# Altium PCB PCBSensorboard.PcbDoc (part 1 of 2) (continued)
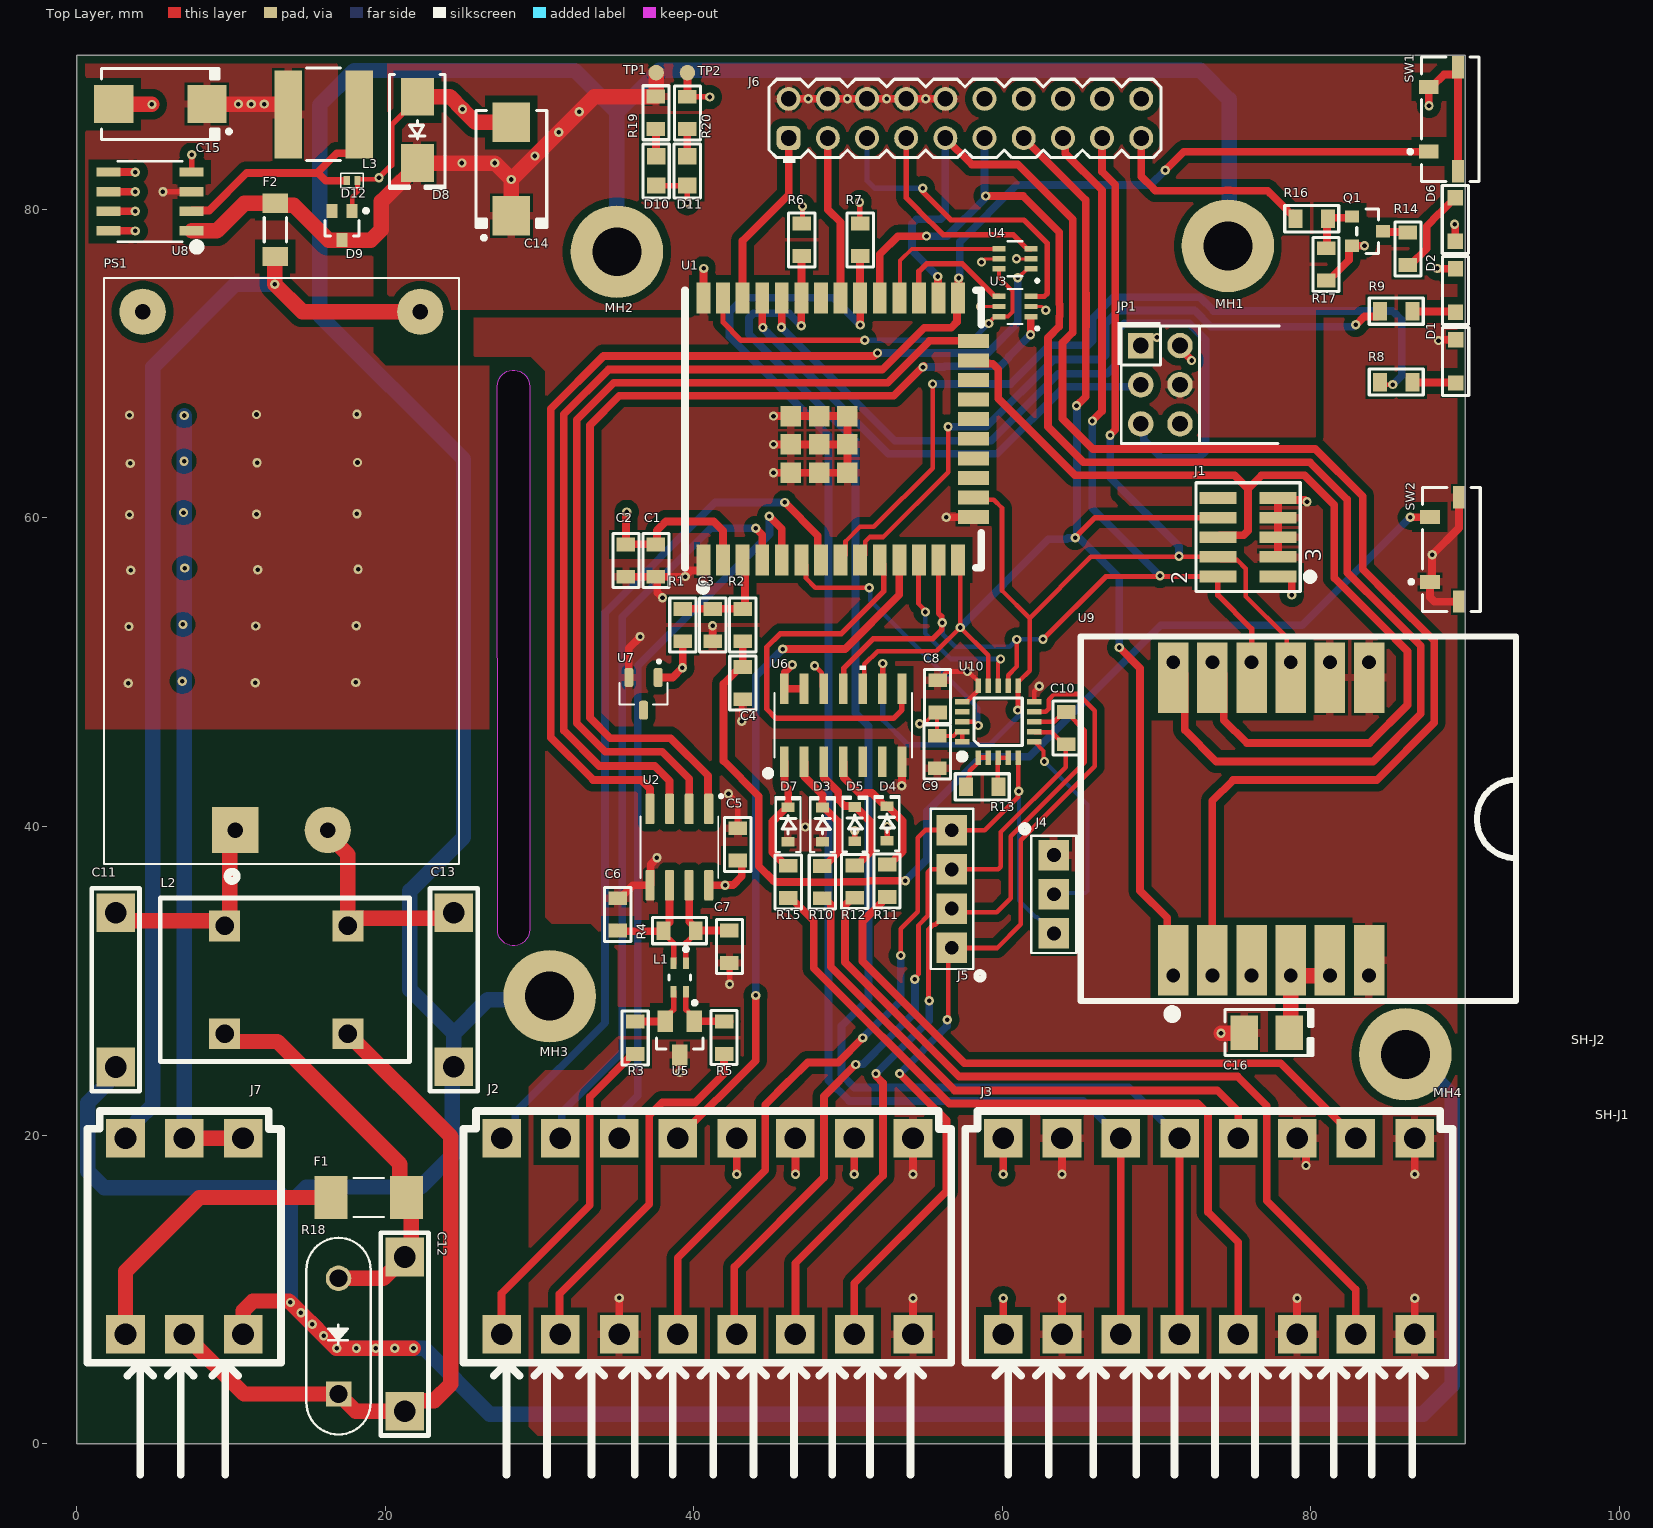
[diagram p0: Top Layer view]
## Components (designator, comment, footprint, x,y, rotation, side; value= is the part's Value field where it differs from the comment)
C1 "22uF" C0805 37.54,57.24 r90 top
C2 "0.1uF" C0805 35.59,57.24 r90 top
C3 "1uF" C0805 41.22,53.06 r90 top
C4 "0.1uF" C0805 43.17,49.3 r90 top
C5 "0.1uF" C0805 42.84,38.84 r90 top
C6 "100pF" C0805 35.06,34.3 r90 top
C7 "100pF" C0805 42.3,32.21 r270 top
C8 "0.1uF" C0805 55.79,48.43 r90 top
C9 "0.1uF" C0805 55.77,44.83 r270 top
C10 "100nF" C0805 64.13,46.38 r270 top
C11 "1nF/400VAC" Q12B1D102KN0B0S0N0 2.51,24.41 r90 top
C12 "0.1uF/275VAC" MP2104KGC3XLC 21.24,2.09 r90 top
C13 "1nF/400VAC" Q12B1D102KN0B0S0N0 24.44,34.42 r270 top
C14 "100µF" "CAP POL 2917_7343" 28.16,82.62 r90 top
C15 "100µF" "CAP POL 2917_7343" 5.405,86.83 r180 top
C16 "1µF" "CAP POL 1411_3528" 77.13,26.63 r180 top
D1 "GLED-RA" 12-21C/G6C-KN2P2/2C 89.38,70.15 r90 top
D2 "BLED-RA" 12-21C/BHC-AP1Q1N/2C 89.37,74.75 r90 top
D3 "CUS10S30,H3F" SOD323 48.335,40.122 r90 top
D4 "CUS10S30,H3F" SOD323 52.506,40.2 r90 top
D5 "CUS10S30,H3F" SOD323 50.426,40.147 r90 top
D6 "RLED-RA" 12-21SURC/S530-A3/TR8 89.36,79.35 r90 top
D7 "CUS10S30,H3F" SOD323 46.105,40.125 r90 top
D8 "P6SMB7.5A" "DO214AA SMB" 22.07,85.16 r270 top
D9 "BZX84C5V6W-7-F" "DIODES SOT-323-3" 17.19,78.96 r270 top
D10 "GLED" ORH-G35A 37.55,82.5 r270 top
D11 "RLED" ORH-R35A 39.57,82.5 r270 top
D12 "PESDHC2FD4V5BH" PESDHC2FD4V5BH 17.84,81.88 r180 top
F1 "MF2410F1.000TM" MF2410F1.000TM-FUSE2410 18.92,15.95 r0 top
F2 "CC12H3A-TR" "FUSE 1206_3216 0.6MM" 12.87,78.68 r90 top
J1 "JTAG10pin1.27mm" 20021121-00010C4LF 75.91,58.75 r90 top value=Value
J2 "PT-Block" "PLUGGABLE 2X8P TERMINAL BLOCK RIGHT ANGLE" 27.53,19.78 r0 top
J3 "PT-Block" "PLUGGABLE 2X8P TERMINAL BLOCK RIGHT ANGLE" 60.05,19.78 r0 top
J4 "Male Header 3x1" "Male Header 3x1" 63.33,38.15 r270 top
J5 "Male Header 4x1" "Male Header 4x1" 56.71,35.95 r90 top
J6 "PEC10DAAN" "MALE HEADER 10X2" 57.57,85.9 r90 top
J7 "PT-Block" "PLUGGABLE 2X3P TERMINAL BLOCK RIGHT ANGLE" 3.15,19.78 r0 top
JP1 "PEC03DAAN" "MALE HEADER 2X3 RA" 68.97,71.18 r270 top
L1 "ACM2012-121-2P-T002" TDK-ACM2012-4_V 39.08,30.2 r270 top
L2 "UU9.8Y-10mH" UU9.8Y-10MH 17.57,26.56 r180 top
L3 "47µH" "WURTH WE-LQS 6045" 16,86.17 r0 top
MH1 "MTG_NoPads" MH 74.62,77.64 r0 top
MH2 "MTG_NoPads" MH 35.01,77.26 r0 top
MH3 "MTG_NoPads" MH 30.64,29 r0 top
MH4 "MTG_NoPads" MH 86.12,25.23 r0 top
PS1 "HLK-5M05" CONV_HLK-5M05 13.26,56.57 r90 top
Q1 "MMBT3904LT3G" "ON SEMI SOT-23-3" 83.67,78.59 r0 top
R1 "10Kohm" R0805 39.28,54.11 r270 top
R2 "0R" R0805 43.16,52.01 r90 top
R3 "10ohm" R0805 36.19,25.25 r90 top
R4 "120ohm" R0805 38.02,33.25 r0 top
R5 "10ohm" R0805 41.95,25.26 r90 top
R6 "10Kohm" R0805 46.99,76.98 r90 top
R7 "10Kohm" R0805 50.78,76.98 r90 top
R8 "68ohm" R0805 86.58,68.81 r180 top
R9 "68ohm" R0805 86.58,73.41 r180 top
R10 "1K" R0805 48.325,37.445 r270 top
R11 "1K" R0805 52.516,37.528 r270 top
R12 "1K" R0805 50.426,37.477 r270 top
R13 "430ohm" R0805 57.64,42.57 r0 top
R14 "270ohm" R0805 86.29,76.4 r90 top
R15 "1K" R0805 46.115,37.455 r270 top
R16 "4.7K" R0805 81.1,79.4 r180 top
R17 "47Kohm" R0805 80.98,77.49 r270 top
R18 "MOV-10D221K" MOV-10D221K_BRN 16.96,3.21 r90 top
R19 "430ohm" R0805 37.54,85.22 r90 top
R20 "270ohm" R0805 39.58,85.21 r90 top
SH-J1 "SNT-100-BK-G" Jumper 99.83,18.28 r0 top value=1x2
SH-J2 "SNT-100-BK-G" Jumper 98.9,24.04 r90 top value=1x2
SW1 "TL3330AF260QG" FP-TL3330AF260QG-MFG 89.03,85.85 r90 top
SW2 "TL3330AF260QG" FP-TL3330AF260QG-MFG 89.1,57.96 r90 top
TP1 "TestPoint" TESTPOINT 37.55,88.87 r90 top
TP2 "TestPoint" TESTPOINT 39.58,88.87 r90 top
U1 "ESP32-WROOM-32UE" ESP32WROOM32UEM113EH6400UH3Q0 49.025,65.77 r90 top
U2 "MAX485ESA+" SOIC127P600X175-8N 39.055,38.665 r270 top
U3 "TC7SB3157CFU" "SOT-363   (US6)" 60.81,73.71 r180 top
U4 "TC7SB3157CFU" "SOT-363   (US6)" 60.809,76.8 r180 top
U5 "SM712.TCT" SMTC-SOT23-3_V 39.08,26.28 r270 top
U6 "MCP3204-BI/SL" MCP-3204-BI/SL 49.676,46.562 r90 top
U7 "LM4040AIM3-5.0/NOPB" SOT95P237X112-3N 36.73,48.6 r270 top
U8 "AP1509-33SG-13" AP1509 4.74,80.52 r180 top
U9 "USR-ES1_WIZNET5500" USR-ES1-WIZNET5500 77.42,40.49 r90 top
U10 "MAX31865ATP+" MAX31865ATP+T,TQFN-20 58.09,45.17 r0 top

## Footprints (in the part's own frame and the unit in brackets; to place one, negate y for a bottom-side part, rotate by r counter-clockwise, add the part's x,y. Pads: shape width x height; smd on the part's side, far side on the other; paste and mask are expansions set on the pad)
12-21C/BHC-AP1Q1N/2C [mm]
  rect 1x1 smd: 1(-1.4,0) 2(1.4,0)
  silkscreen extent -2.2,-0.85 2.2,0.85, body extent -1.63,-0.9 1.63,0, height 1.66
12-21C/G6C-KN2P2/2C [mm]
  rect 1x1 smd: 1(-1.4,0) 2(1.4,0)
  silkscreen extent -2.2,-0.85 2.2,0.85, body extent -1.63,-0.9 1.63,0, height 1.66
12-21SURC/S530-A3/TR8 [mm]
  rect 1x1 smd: 1(-1.4,0) 2(1.4,0)
  silkscreen extent -2.2,-0.85 2.2,0.85, body extent -1.63,-0.9 1.63,0, height 1.66
20021121-00010C4LF [mm]
  rect 0.76x2.4 smd: 1(-2.54,-1.95) 2(-2.54,1.95) 3(-1.27,-1.95) 4(-1.27,1.95) 5(0,-1.95) 6(0,1.95) 7(1.27,-1.95) 8(1.27,1.95) 9(2.54,-1.95) 10(2.54,1.95)
  silkscreen extent -3.51,-4.25 3.54,3.37, body extent -3.17,-2.75 3.17,2.75, height 4.5
AP1509 [mm]
  rect 1.55x0.6 smd: 1(-2.7,1.905) 2(-2.7,0.635) 3(-2.7,-0.635) 4(-2.7,-1.905) 5(2.7,-1.905) 6(2.7,-0.635) 7(2.7,0.635) 8(2.7,1.905)
  silkscreen extent -3.27,-2.6 2.1,3.19, body extent -3.12,-2.47 3.13,2.48, height 1.75
C0805 [mm]
  rect 0.9x1.2 smd: 1(-1.05,0) 2(1.05,0)
  silkscreen extent -1.75,-0.85 1.75,0.85, body extent -1,-0.65 1,0.66, height 0.74
"CAP POL 1411_3528" [mm] "Molded Capacitor, 2-Leads, Body 3.50x2.80mm, IPC Medium Density"
  rect 1.8x2.23 smd: 1(-1.46,0) 2(1.46,0)
  silkscreen extent -3,-1.5 2.71,1.48, body extent -1.87,-1.45 1.86,1.45, height 2
"CAP POL 2917_7343" [mm] "Molded Capacitor, 2-Leads, Body 7.30x4.30mm, IPC Medium Density"
  rect 2.55x2.45 smd: 1(-3.025,0) 2(3.025,0)
  silkscreen extent -4.57,-2.3 3.8,2.3, body extent -3.65,-2.15 3.65,2.15, height 4.1
CONV_HLK-5M05 [mm]
  rect 3x3 hole 1: 1(-16.8,3)
  round 3 hole 1: 2(-16.8,-3) 3(16.8,9) 4(16.8,-9)
  silkscreen extent -20.1,-11.5 19,11.5, body extent -19,-11.5 19,11.5, height 18.01
"DIODES SOT-323-3" [mm] "SOT323, 3-Leads, Body 2.00x2.10mm, Pitch 0.65mm, IPC Medium Density"
  rect 0.9x0.7 smd: 1(-0.95,0.65) 2(0.95,0) 3(-0.95,-0.65)
  silkscreen extent -1.07,-1.1 0.67,1.68, body extent -1.06,-1 1.06,1, height 1
"DO214AA SMB" [mm] "Molded Diode, 2-Leads, Body 4.31x3.62mm, IPC Medium Density"
  rect 2.45x2.15 smd: 1(-2.15,0) 2(2.15,0)
  silkscreen extent -3.6,-1.8 3.8,1.8, body extent -2.6,-1.8 2.6,1.8, height 2.4
ESP32WROOM32UEM113EH6400UH3Q0 [mm]
  rect 2x0.9 smd: 1(-8.5,8.41) 2(-8.5,7.14) 3(-8.5,5.87) 4(-8.5,4.6) 5(-8.5,3.33) 6(-8.5,2.06) 7(-8.5,0.79) 8(-8.5,-0.48) 9(-8.5,-1.75) 10(-8.5,-3.02) 11(-8.5,-4.29) 12(-8.5,-5.56) 13(-8.5,-6.83) 14(-8.5,-8.1) 25(8.5,-8.1) 26(8.5,-6.83) 27(8.5,-5.56) 28(8.5,-4.29) 29(8.5,-3.02) 30(8.5,-1.75) 31(8.5,-0.48) 32(8.5,0.79) 33(8.5,2.06) 34(8.5,3.33) 35(8.5,4.6) 36(8.5,5.87) 37(8.5,7.14) 38(8.5,8.41)
  rect 0.9x2 smd: 15(-5.715,-9.1) 16(-4.445,-9.1) 17(-3.175,-9.1) 18(-1.905,-9.1) 19(-0.635,-9.1) 20(0.635,-9.1) 21(1.905,-9.1) 22(3.175,-9.1) 23(4.445,-9.1) 24(5.715,-9.1)
  rect 1.33x1.33 smd: 39(-2.835,-0.925) 39(-2.835,0.91) 39(-2.835,2.745) 39(-1,2.745) 39(-1,-0.925) 39(-1,0.91) 39(0.835,2.745) 39(0.835,-0.925) 39(0.835,0.91)
  silkscreen extent -10.5,-9.6 9,9.6, body extent -9.06,-9.63 9.01,9.61, height 3.41
FP-TL3330AF260QG-MFG [mm]
  rect 0.9x1.27 smd paste+0 mask+0: 1(-2.1,1.385) 2(2.1,1.385)
  rect 1.45x0.8 smd paste+0 mask+0: 3(-3.375,-0.5) 4(3.375,-0.5)
  silkscreen extent -4.03,-1.88 4.03,2.72, body extent -3.9,-1.75 3.9,1.75, height 3.75
"FUSE 1206_3216 0.6MM" [mm] "Chip Fuse 1.5A AC 63V DC, 2-Leads, Body 3.10x1.55mm, IPC Medium Densitym"
  rect 1.25x1.65 smd: 1(-1.725,0) 2(1.725,0)
  silkscreen extent -0.8,-0.72 0.8,0.72, body extent -1.55,-0.77 1.55,0.78, height 0.76
Jumper [mil]
  round 1 on Mech1: 0(-5,-20)
  body extent -55,-120 45,80, height 344
"MALE HEADER 2X3 RA" [mm]
  rect 1.65x1.65 hole 1.016 mask+0: 1(0,0)
  round 1.65 hole 1.016 mask+0: 2(0,2.54) 3(2.54,0) 4(2.54,2.54) 5(5.08,0) 6(5.08,2.54)
  silkscreen extent -1.52,-1.52 6.35,8.98, body extent -1.27,-0.28 6.35,12.48, height 5.74
"Male Header 3x1" [mm]
  rect 1.981x2 hole 0.9: 1(0,0) 2(2.54,0) 3(5.08,0)
  silkscreen extent -1.93,-2.12 6.35,1.46, body extent -1.27,-1.46 6.35,1.46, height 8.52
"Male Header 4x1" [mm]
  rect 1.981x2 hole 0.9: 1(-3.81,0) 2(-1.27,0) 3(1.27,0) 4(3.81,0)
  silkscreen extent -5.86,-2.06 5.19,1.37, body extent -5.08,-1.27 5.08,1.27, height 8.96
"MALE HEADER 10X2" [mm]
  rrect50% 1.55x1.55 hole 1.016: 1(-1.27,11.43)
  round 1.55 hole 1.016: 2(1.27,11.43) 3(-1.27,8.89) 4(1.27,8.89) 5(-1.27,6.35) 6(1.27,6.35) 7(-1.27,3.81) 8(1.27,3.81) 9(-1.27,1.27) 10(1.27,1.27) 11(-1.27,-1.27) 12(1.27,-1.27) 13(-1.27,-3.81) 14(1.27,-3.81) 15(-1.27,-6.35) 16(1.27,-6.35) 17(-1.27,-8.89) 18(1.27,-8.89) 19(-1.27,-11.43) 20(1.27,-11.43)
  silkscreen extent -2.9,-12.7 2.54,12.7, body extent -2.54,-12.7 2.54,12.7, height 8.38
MAX31865ATP+T,TQFN-20 [mm]
  rect 0.35x0.95 smd: BIAS(0.33,-0.72) CS(1.63,3.95) DGND(0.33,3.95) FORCE+(2.93,-0.72) ISENSOR(2.28,-0.72) REFIN+(0.98,-0.72) REFIN-(1.63,-0.72) SCLK(2.28,3.95) SD0(0.98,3.95) SDI(2.93,3.95)
  rect 0.95x0.35 smd: DRDY(-0.694,1.626) DVDD(-0.694,0.975) FORCE2(3.976,0.326) FORCE-(3.976,2.275) GND1(-0.694,2.926) GND2(3.976,2.926) NC(-0.694,2.275) RTDIN+(3.976,0.975) RTDIN-(3.976,1.626) VDD(-0.694,0.326)
  silkscreen extent -0.86,-0.79 3.19,3.15, body extent -0.89,-0.9 4.11,4.1, height 0.8
MCP-3204-BI/SL [mil]
  rect 78x22 smd paste+0 mask+0: 1(-93,150) 2(-93,100) 3(-93,50) 4(-93,0) 5(-93,-50) 6(-93,-100) 7(-93,-150) 8(93,-150) 9(93,-100) 10(93,-50) 11(93,0) 12(93,50) 13(93,100) 14(93,150)
  silkscreen extent -128,-176 152,198, body extent -118,-171 118,170, height 69
MF2410F1.000TM-FUSE2410 [mm]
  rect 2.15x2.8 smd: 1(-2.455,0) 2(2.455,0)
  silkscreen extent -1,-1.27 1,1.27, body extent -3.05,-1.27 3.05,1.27, height 2.75
MH [mm]
  round 6 hole 3.175 mask+0.102: 1(0,0)
MOV-10D221K_BRN [mil]
  rect 65x65 hole 45 mask+0: 1(0,0)
  round 65 hole 45 mask+0: 2(295.28,0)
  silkscreen extent -103,-82 399,82, body extent -69,-68 364,67, height 531
MP2104KGC3XLC [mm]
  rect 2.5x2.5 hole 1.4: 1(0,0) 2(10,0)
  silkscreen extent -1.57,-1.55 11.57,1.55
"ON SEMI SOT-23-3" [mm] "SOT23, 3-Leads, Body 2.90x2.40mm, Pitch 0.95mm, IPC Medium Density"
  rect 0.9x0.8 smd: 1(-1,0.95) 2(-1,-0.95) 3(1,0)
  silkscreen extent -0.7,-1.45 0.7,1.45, body extent -1.16,-1.45 1.16,1.45, height 1
ORH-G35A [mm]
  rect 1.05x1.2 smd: 1(-0.95,0) 2(0.95,0)
  silkscreen extent -1.75,-0.85 1.75,0.85, body extent -1,-0.62 1,0.62, height 1.11
ORH-R35A [mm]
  rect 1.05x1.2 smd: 1(-0.95,0) 2(0.95,0)
  silkscreen extent -1.75,-0.85 1.75,0.85, body extent -1,-0.62 1,0.62, height 1.11
PESDHC2FD4V5BH [mm]
  rect 0.4x0.6 smd: 1(-0.35,0) 2(0.35,0)
  silkscreen extent -0.72,-0.47 0.72,0.48, body extent -0.65,-0.41 0.65,0.41, height 0.5
"PLUGGABLE 2X3P TERMINAL BLOCK RIGHT ANGLE" [mm]
  rect 2.5x2.5 hole 1.4: 1(0,0) 2(3.81,0) 3(7.62,0) 4(0,-12.7) 5(3.81,-12.7) 6(7.62,-12.7)
  silkscreen extent -2.46,-21.81 10.08,1.78
"PLUGGABLE 2X8P TERMINAL BLOCK RIGHT ANGLE" [mm]
  rect 2.5x2.5 hole 1.4: 1(0,0) 2(3.81,0) 3(7.62,0) 4(11.43,0) 5(15.24,0) 6(19.05,0) 7(22.86,0) 8(26.67,0) 9(0,-12.7) 10(3.81,-12.7) 11(7.62,-12.7) 12(11.43,-12.7) 13(15.24,-12.7) 14(19.05,-12.7) 15(22.86,-12.7) 16(26.67,-12.7)
  silkscreen extent -2.46,-21.81 29.15,1.78
Q12B1D102KN0B0S0N0 [mm]
  rect 2.5x2.5 hole 1.4: 1(0,0) 2(10,0)
  silkscreen extent -1.57,-1.55 11.58,1.55, body extent -0.33,-2.55 10.32,2.45, height 14.5
R0805 [mm]
  rect 0.9x1.2 smd: 1(0,0) 2(2.1,0)
  silkscreen extent -0.7,-0.85 2.8,0.85, body extent 0.05,-0.62 2.05,0.63, height 0.56
SMTC-SOT23-3_V [mm] "SOT23, 3-Leads, Body 2.92x2.37mm, Pitch 0.95mm"
  rect 1.4x1 smd: 1(-1.1,0.95) 2(-1.1,-0.95) 3(1.1,0)
  silkscreen extent -2.41,-1.5 0.7,1.5, body extent -0.7,-1.52 0.7,1.52, height 1.12
SOD323 [mm] "SOD, 2-Leads, Body 1.25x2.50mm, IPC Medium Density"
  rect 0.625x0.83 smd: 1(-1.112,0) 2(1.112,0)
  silkscreen extent -1.78,-0.8 1.78,0.8, body extent -1.36,-0.62 1.36,0.62, height 1.05
SOIC127P600X175-8N [mm]
  rrect25% 1.97x0.59 smd: 1(-2.475,1.905) 2(-2.475,0.635) 3(-2.475,-0.635) 4(-2.475,-1.905) 5(2.475,-1.905) 6(2.475,-0.635) 7(2.475,0.635) 8(2.475,1.905)
  silkscreen extent -3.4,-2.52 2,2.81, body extent -3,-2.45 3,2.45, height 1.75
SOT95P237X112-3N [mm]
  rrect50% 1.23x0.59 smd: 1(-1.06,0.95) 2(-1.06,-0.95) 3(1.06,0)
  silkscreen extent -2.2,-1.56 0.7,1.56, body extent -1.18,-1.46 1.19,1.46, height 1.12
"SOT-363   (US6)" [mil]
  rect 33x14 smd paste+0 mask+0: 1(-41,25.59) 2(-41,0) 3(-41,-25.59) 4(41,-25.59) 5(41,0) 6(41,25.59)
  silkscreen extent -61,-44 19,60, body extent -42,-39 41,40, height 37
TDK-ACM2012-4_V [mm] "SMD, 4-Leads, Body 2.2x1.4mm"
  rect 0.75x0.4 smd: 1(-0.925,0.4) 2(-0.925,-0.4) 3(0.925,-0.4) 4(0.925,0.4)
  silkscreen extent -1.97,-0.7 0.16,0.7, body extent -1.1,-0.7 1.1,0.7, height 1.3
TESTPOINT [mm]
  round 1 smd: 1(0,0)
USR-ES1-WIZNET5500 [mil]
  rect 180x78 hole 35.43 copper offset 39.37,0: 1(-400,250) 2(-400,150) 3(-400,50) 4(-400,-50) 5(-400,-150) 6(-400,-250)
  rect 180x78 hole 35.43 copper offset -39.37,0: 7(400,-250) 8(400,-150) 9(400,-50) 10(400,50) 11(400,150) 12(400,250)
  silkscreen extent -501,-625 465,486, body extent -455,-618 451,482, height 720
UU9.8Y-10MH [mm]
  rect 2x2 hole 1.2: 1(0,0) 2(0,-7) 3(8,-7) 4(8,0)
  silkscreen extent -3.99,-8.8 12.16,1.8, body extent -3.99,-8.81 12.17,1.8, height 15.5
"WURTH WE-LQS 6045" [mm] "SMD Power Inductor, 2-Leads, body 6x6mm"
  rect 1.8x5.7 smd: 1(-2.3,0) 2(2.3,0)
  silkscreen extent -1.1,-3 1.1,3, body extent -3,-3 3,3, height 4.5

## Part data
C1 C2 C3 C4 C5 C6 C7 C8 C9 C10: library part C0805, "Ceramic Capacitor SMD 0805"
C11 C13: library part Q12B1D102KN0B0S0N0, "Y1 1nF ±10% 400V 10mm Through Hole,P=10mm Suppression Capacitors RoHS", Electrolytic Through Hole Axial Capacitor=100pF, PackageDescription="Capacitor; 2 Leads", PackageReference=CAPR5-4X5, Published=23-Sep-2002, Publisher="Altium Limited"
C12: library part MP2104KGC3XLC, "X2 100nF ±10% 275V 10mm Through Hole,P=10mm Suppression Capacitors RoHS", Electrolytic Through Hole Axial Capacitor=100pF, PackageDescription="Capacitor; 2 Leads", PackageReference=CAPR5-4X5, Published=23-Sep-2002, Publisher="Altium Limited"
C14 C15: library part TPSD107K010S0080, "CAP TANT 100UF 10% 10V 2917", Device Package="2917 (7343 Metric)", ESR (Equivalent Series Resistance)=80mOhm, Manufacturer="AVX Corporation", Manufacturer Size Code=D, Operating Temperature="-55°C ~ 125°C", Supplier Part Number 1=478-9137-1-ND, Tolerance=±10%, Voltage - Rated=10V, Capacitance=100µF, ComponentLink1Description=Datasheet, ComponentLink1URL=http://datasheets.avx.com/TPS.pdf, ComponentLink2Description="DigiKey Link", ComponentLink2URL=http://digikey.com/product-detail/en/avx-corporation/TPSD107K010S0080/478-9137-1-ND/4562002, Features="General Purpose", Height - Seated (Max)="0.122\" (3.10mm)", LastUpdated="9/2/2020 1:16:19 AM", Lifecycle Status=Active, Minimum Order=1, Mounting Type="Surface Mount", Package / Case="2917 (7343 Metric)", Packaging=TapeAndReel, Part Number=TPSD107K010S0080, Part Status=Active, PartId=1024, Price=0.47, Series=TPS, Size / Dimension="0.287\" L x 0.169\" W (7.30mm x 4.30mm)", Supplier 1=DigiKey, Type=Molded
C16: library part CWR11MH105KB, "CAP TANT 1UF 10% 35V 1411", Device Package="1411 (3528 Metric)", ESR (Equivalent Series Resistance)=6.5Ohm, Manufacturer=KEMET, Manufacturer Size Code=B, Operating Temperature="-55°C ~ 125°C", Supplier Part Number 1=1001-2230-1-ND, Tolerance=±10%, Voltage - Rated=35V, Capacitance=1µF, ComponentLink1Description=Datasheet, ComponentLink1URL=https://api.kemet.com/component-edge/download/datasheet/CWR11MH105KB.pdf, ComponentLink2Description="DigiKey Link", ComponentLink2URL=http://digikey.com/product-detail/en/kemet/CWR11MH105KB/1001-2230-1-ND/3317720, Failure Rate="B (0.1%)", Features="High Reliability", Height - Seated (Max)="0.083\" (2.10mm)", LastUpdated="9/2/2020 1:15:46 AM", Lifecycle Status=Active, Minimum Order=1, Mounting Type="Surface Mount", Package / Case="1411 (3528 Metric)", Packaging=TapeAndReel, Part Number=CWR11MH105KB, Part Status=Active, PartId=1, Price=1.20, Series="Military, MIL-PRF-55365/8, CWR11", Size / Dimension="0.138\" L x 0.110\" W (3.50mm x 2.80mm)", Supplier 1=DigiKey, Type=Molded
D1: library part 12-21C/G6C-KN2P2/2C, "Green-yellow 569.5~575.5nm Right-Angle 1206 Light Emitting Diodes (LED) RoHS"
D2: library part 12-21C/BHC-AP1Q1N/2C, "Blue 464.5~476.5nm 1206 Right-Angle Light Emitting Diodes (LED) RoHS"
D3 D4 D5 D7: "DIODE SCHOTTKY 30V 1A USC", Current - Average Rectified (Io)=1A, Current - Reverse Leakage @ Vr="500µA @ 30V", Manufacturer="Toshiba Semiconductor and Storage", Operating Temperature - Junction="125°C (Max)", Package / Case="SC-76, SOD-323", Supplier Device Package=USC, Supplier Part Number 1=CUS10S30H3FCT-ND, Voltage - DC Reverse (Vr) (Max)=30V, Voltage - Forward (Vf) (Max) @ If="230mV @ 100mA", ComponentLink1Description=Datasheet, ComponentLink1URL=https://toshiba.semicon-storage.com/info/docget.jsp?did=14077&prodName=CUS10S30, ComponentLink2Description="DigiKey Link", ComponentLink2URL=http://digikey.com/product-detail/en/toshiba-semiconductor-and-storage/CUS10S30H3F/CUS10S30H3FCT-ND/5114377, Diode Type=Schottky, LastUpdated="9/2/2020 1:27:26 AM", Lifecycle Status=Active, Minimum Order=1, Mounting Type="Surface Mount", Packaging=TapeAndReel, Part Number=CUS10S30,H3F, Part Status=Active, PartId=3067, Price=0.06, Series=-, Speed="Fast Recovery =< 500ns, > 200mA (Io)", Supplier 1=DigiKey
D6: library part 12-21SURC/S530-A3/TR8, "Red 624nm Right-Angle 1206 Light Emitting Diodes (LED) RoHS"
D8: "TVS DIODE 6.4V 11.3V DO214AA", Current - Peak Pulse (10/1000µs)=54A, Manufacturer="Littelfuse Inc.", Operating Temperature="-55°C ~ 150°C (TJ)", Package / Case="DO-214AA, SMB", Power - Peak Pulse=600W, Power Line Protection=No, Supplier Device Package="DO-214AA (SMBJ)", Supplier Part Number 1=P6SMB7.5ALFCT-ND, Voltage - Breakdown (Min)=7.13V, Voltage - Clamping (Max) @ Ipp=11.3V, Voltage - Reverse Standoff (Typ)=6.4V, Applications="General Purpose", ComponentLink1Description=Datasheet, ComponentLink1URL=https://www.littelfuse.com/~/media/electronics/datasheets/tvs_diodes/littelfuse_tvs_diode_p6smb_datasheet.pdf.pdf, ComponentLink2Description="DigiKey Link", ComponentLink2URL=http://digikey.com/product-detail/en/littelfuse-inc/P6SMB7.5A/P6SMB7.5ALFCT-ND/1766722, LastUpdated="9/2/2020 1:19:51 AM", Lifecycle Status=Active, Minimum Order=1, Mounting Type="Surface Mount", Packaging=TapeAndReel, Part Number=P6SMB7.5A, Part Status=Active, PartId=11409, Price=0.10, Series=P6SMB, Supplier 1=DigiKey, Type=Zener, Unidirectional Channels=1
D9: "DIODE ZENER 5.6V 200MW SOT323", Current - Reverse Leakage @ Vr="1µA @ 2V", Manufacturer="Diodes Incorporated", Operating Temperature="-65°C ~ 125°C", Package / Case="SC-70, SOT-323", Power - Max=200mW, Supplier Device Package=SOT-323, Supplier Part Number 1=BZX84C5V6W-FDICT-ND, Tolerance=±7%, Voltage - Forward (Vf) (Max) @ If="900mV @ 10mA", Voltage - Zener (Nom) (Vz)=5.6V, ComponentLink1Description=Datasheet, ComponentLink1URL=https://www.diodes.com/assets/Datasheets/ds30066.pdf, ComponentLink2Description="DigiKey Link", ComponentLink2URL=http://digikey.com/product-detail/en/diodes-incorporated/BZX84C5V6W-7-F/BZX84C5V6W-FDICT-ND/815458, Impedance (Max) (Zzt)="40 Ohms", LastUpdated="9/2/2020 1:21:29 AM", Lifecycle Status=Active, Minimum Order=1, Mounting Type="Surface Mount", Packaging=TapeAndReel, Part Number=BZX84C5V6W-7-F, Part Status=Active, PartId=879, Price=0.05, Series=-, Supplier 1=DigiKey
D10: library part ORH-G35A, "Green 515~535nm 0805 Light Emitting Diodes (LED) RoHS"
D11: library part ORH-R35A, "OrangeRed 615~625nm 0805 Light Emitting Diodes (LED) RoHS"
D12: "http://www.prisemi.com/UploadImage/files/ESD(TVS%20Array%EF%BC%89/High%20capacitance/PESDHC2FD4V5BH.pdf", Breakdown Voltage=13.3V, Case/Package=SMA, Clamping Voltage=19.9V, Current=201A, Leakage Current=1uA, Manufacturer="Vishay Semiconductors", Manufacturer Part Number 1=SMAJ12A-E3/61, Max Breakdown Voltage=14.7V, Max Forward Surge Current (Ifsm)=40A, Max Operating Temperature=150°C, Max Power Dissipation=400W, Max Surge Current=20.1A, Min Operating Temperature=-55°C, Operating Supply Voltage=12V, Package Quantity=1800, Supplier Part Number 1=SMAJ12A-E3/61GICT-ND, Test Current=1mA, ComponentLink1Description=https://datasheet.ciiva.com/4247/2smaj50a-4247753.pdf?src-supplier=Arrow, ComponentLink1URL=https://datasheet.ciiva.com/4247/2smaj50a-4247753.pdf?src-supplier=Arrow, ComponentLink2Description=https://datasheet.ciiva.com/26912/getdatasheetpartid-162303-26912431.pdf?src-supplier=Verical, ComponentLink2URL=https://datasheet.ciiva.com/26912/getdatasheetpartid-162303-26912431.pdf?src-supplier=Verical, ComponentLink3Description=https://datasheet.ciiva.com/3021/88390-3021379.pdf?src-supplier=Avnet, ComponentLink3URL=https://datasheet.ciiva.com/3021/88390-3021379.pdf?src-supplier=Avnet, ComponentLink4Description=https://datasheet.ciiva.com/16199/smaj50a-16199669.pdf?src-supplier=Future+Electronics, ComponentLink4URL=https://datasheet.ciiva.com/16199/smaj50a-16199669.pdf?src-supplier=Future+Electronics, ComponentLink5Description=https://datasheet.ciiva.com/28409/548547-28409622.pdf?src-supplier=Element14, ComponentLink5URL=https://datasheet.ciiva.com/28409/548547-28409622.pdf?src-supplier=Element14, ComponentLink6Description=https://datasheet.ciiva.com/26322/548547-26322536.pdf?src-supplier=Element14, ComponentLink6URL=https://datasheet.ciiva.com/26322/548547-26322536.pdf?src-supplier=Element14, Contact Plating=Tin,Matte, Direction=Unidirectional, Element Configuration=Single, Height=2.09mm, Lead Free="Lead Free", Length=4.5mm, Max Reverse Leakage Current=1uA, Min Breakdown Voltage=13.3V, Number of Channels=1, Number of Elements=1, Number of Pins=2, Packaging="Tape and Reel", Peak Pulse Current=20.1A, Peak Pulse Power=400W, Polarity=Unidirectional, Power Dissipation=400W, Pricing 1="1 = 0.42000, 10 = 0.31500, 25 = 0.28400, 100 = 0.19610, 250 = 0.16512, 500 = 0.13416 (USD)", Radiation Hardening=No, REACH SVHC=Unknown, Reverse Breakdown Voltage=13.3V, Reverse Standoff Voltage=12V, RoHS=Yes, Stock 1=351428, Supplier 1=Digi-Key, Termination=SMD/SMT, Voltage=12V, Voltage Rating (DC)=12V, Width=2.79mm
F1: "Chip Fuse 1A 84mΩ 100A 0.62 2410 Surface Mount Fuses RoHS"
F2: "FUSE BOARD MOUNT 3A 63VDC 1206", Breaking Capacity @ Rated Voltage=50A, Current Rating (Amps)=3A, Device Package="1206 (3216 Metric)", Manufacturer="Eaton - Electronics Division", Operating Temperature="-55°C ~ 125°C", Supplier Part Number 1=283-2982-1-ND, Voltage Rating - DC=63V, Approval Agency=cURus, Approvals=cURus, ComponentLink1Description=Datasheet, ComponentLink1URL=http://www.cooperindustries.com/content/dam/public/bussmann/Electronics/Resources/product-datasheets/Bus_Elx_DS_4309_CC12H_Series.pdf, ComponentLink2Description="DigiKey Link", ComponentLink2URL=http://digikey.com/product-detail/en/eaton-electronics-division/CC12H3A-TR/283-2982-1-ND/2138913, Fuse Type="Board Mount (Cartridge Style Excluded)", LastUpdated="9/2/2020 1:30:41 AM", Lifecycle Status=Active, Melting I²t=2.2, Minimum Order=1, Mounting Type="Surface Mount", Package / Case="1206 (3216 Metric)", Packaging=TapeAndReel, Part Number=CC12H3A-TR, Part Status=Active, Price=0.39, Response Time="Slow Blow", Series=CC12H, Size / Dimension="0.126\" L x 0.063\" W x 0.024\" H (3.20mm x 1.60mm x 0.60mm)", Supplier 1=DigiKey
J1: "CONN HEADER 10POS DUAL .05\" SMD", Color=Black, DigiKeyPartNumber=FTSH-105-01-F-DV-ND, Manufacturer_Part_Number=20021121-00010C4LF, Supplier Part Number 1=200-FTSH10501LDVK, Category=Connectors, Connector_Type="Header, Unshrouded", Contact_Finish=Gold, Contact_Finish_Thickness="3Âµin (0.08Âµm)", Contact_Mating_Length="0.120\" (3.05mm)", Contact_Type="Male Pin", Copyright="Copyright (C) 2015 Accelerated Designs. All rights reserved", Datasheet=http://www.samtec.com/documents/webfiles/pdf/FTSH_SMT.pdf, Fastening_Type=-, Features=-, Mounting_Type="Surface Mount", Number_of_Positions=10, Number_of_Positions_Loaded=All, Number_of_Rows=2, Packaging=Tube, Pitch="0.050\" (1.27mm)", Quantity_Available=0, RefDes=RefDes, Row_Spacing="0.050\" (1.27mm)", Supplier 1=Mouser, Termination=Solder, Type=DEV, Vendor="Samtec Inc"
J2 J3: library part "Pluggable 2x8P Terminal Block Right Angle", "3.81mm Pitch Double Row Right Angle Pin Male Pluggable PCB Electrical Screw Terminal Block 2x8P"
J6: library part "Male Header 10x2", "Header, 2.54mm, 10x2, Tin, TH", Color=Black, Current_A=3, Manufacturer="Sullins Connector Solutions", Supplier Part Number 1=S2012E-10-ND, Cert_UL=Y, ClassName=Header, ComponentLink1Description="Datasheet URL", ComponentLink1URL=https://drawings-pdf.s3.amazonaws.com/C10419.pdf, CompType=Header, ContactFinish=Tin, Gender=Male, Green_EU RoHS=Incomplete, Green_EU RoHS-2=Incomplete, Green_Lifecycle="Not Set", Green_REACh=Incomplete, LatestRevisionDate=2017-05-05, MountType=TH, Orientation=Vertical, PackageReference="Header, 10x2, 2.54mm, TH", PartNumber=PEC10DAAN, PinCount=20, Pitch_mm=2.54, Publisher="Texas Instruments", RoHS=Y, Row_Count=2, RowSpacing_mm=2.54, Shrouded=N, Supplier 1=Digi-Key, SymbolCreator=a0412235, SymbolVersion=2013-09-12, System=Connector
J7: library part "Pluggable 2x3P Terminal Block Right Angle", "3.81mm Pitch Double Row Right Angle Pin Male Pluggable PCB Electrical Screw Terminal Block 2x3P"
JP1: library part "Male Header 2x3 RA", "Header, Right Angle, 100mil, 3x2, Tin, TH", Color=Black, Current_A=3, Manufacturer="Sullins Connector Solutions", Supplier Part Number 1=S2012E-03-ND, Voltage_V=1800, Cert_UL=Y, ClassName=Header, ComponentLink1Description="Datasheet URL", ComponentLink1URL=http://www.sullinscorp.com/catalogs/77_PAGE108-109_.100_MALE_HDR.pdf, CompType=Header, ContactFinish=Tin, Gender=Male, LatestRevisionDate=2017-04-11, MountType=TH, Orientation=Vertical, PackageReference="3x2 Header", PartNumber=PEC03DAAN, PinCount=6, Pitch_mm=2.54, Publisher="Texas Instruments", RoHS=Y, Row_Count=2, RowSpacing_mm=2.54, Shrouded=N, Supplier 1=Digi-Key, SymbolCreator=a0412235, SymbolVersion=2013-10-14
L1: "Common Mode Filter, For High-Speed Differential Signal Line / General Signal Line, 120 Ohm, 0.37 A, 50 V, -40 to 85 degC, 4-Pin SMD (0805), RoHS, Tape and Reel", Current=370mA, DC Resistance (DCR)=220mOhmMax, Inductance=-, Manufacturer=TDK, Operating Temperature=-40degC~85degC, Package / Case=Horizontal,4PCPad, Standard Package=1, Catalog Drawings=ACM2012SeriesTopACM2012SeriesSideACM2012SeriesBottom, Category=Filters, Datasheet URL=https://datasheet.ciiva.com/26793/acm2012-121-2p-t002-26793322.pdf, Datasheet Version=Jun-12, Family=CommonModeChokes, Filter Type=Data,SignalLine, Height (Max)="0.051\"(1.30mm)", Impedance=120Ohm, Manufacturer URL=http://www.tdk.com/, Mounting Type=SurfaceMount, Number of Lines=2, Online Catalog=ACM2012Series, Other Drawings=ACM2012SeriesSchematicACM2012SeriesFootprint, Other Names=445-2208-6, Packaging=Digi-Reel, Product Training Modules=EMCComponents, Series=ACM, Size / Dimension="0.079\"Lx0.047\"W(2.00mmx1.20mm)"
L2: "Power Line 10mH @ 1kHz 1.2Ω Through Hole Common Mode Chokes / Filters RoHS", ComponentLink1Description=Link-LCSC, ComponentLink1URL=https://lcsc.com/product-detail/Common-Mode-Chokes-Filters_FH-Guangdong-Fenghua-Advanced-Tech-UU9-8Y-10mH_C75192.html, ComponentLink2Description=Link-AliExpress, ComponentLink2URL=https://www.aliexpress.com/item/32980182330.html?spm=a2g0o.detail.1000013.1.5cfb700ddkBmdG&gps-id=pcDetailBottomMoreThisSeller&scm=1007.13339.169870.0&scm_id=1007.13339.169870.0&scm-url=1007.13339.169870.0&pvid=74876de4-c52f-4303-af43-224ca810e133&_t=gps-id:pcDetailBottomMoreThisSeller,scm-url:1007.13339.169870.0,pvid:74876de4-c52f-4303-af43-224ca810e133,tpp_buckets:668%230%23131923%2385_668%230%23131923%2385_668%23888%233325%2318_668%23888%233325%2318_668%232846%238111%231996_668%232717%237567%23943_668%231000022185%231000066059%230_668%233468%2315616%23721_668%232846%238111%231996_668%232717%237567%23943_668%233164%239976%23861_668%233468%2315616%23721
L3: library part 74404064470, "FIXED IND 47UH 1.2A 200 MOHM SMD", Current - Saturation=1.5A, Current Rating (Amps)=1.2A, DC Resistance (DCR)=200mOhm, Device Package=Nonstandard, Frequency - Self Resonant=6.4MHz, Inductance Frequency - Test=100kHz, Manufacturer="Würth Elektronik", Operating Temperature="-40°C ~ 125°C", Supplier Device Package=6045, Supplier Part Number 1=732-5556-1-ND, Tolerance=±20%, ComponentLink1Description=Datasheet, ComponentLink1URL=https://katalog.we-online.de/pbs/datasheet/74404064470.pdf, ComponentLink2Description="DigiKey Link", ComponentLink2URL=http://digikey.com/product-detail/en/w-rth-elektronik/74404064470/732-5556-1-ND/4865449, Height - Seated (Max)="0.177\" (4.50mm)", Inductance=47µH, LastUpdated="9/2/2020 1:30:28 AM", Lifecycle Status=Active, Material - Core=Ferrite, Minimum Order=1, Mounting Type="Surface Mount", Package / Case=Nonstandard, Packaging=TapeAndReel, Part Number=74404064470, Part Status=Active, PartId=3706, Price=0.69, Series=WE-LQS, Shielding=Shielded, Size / Dimension="0.236\" L x 0.236\" W (6.00mm x 6.00mm)", Supplier 1=DigiKey, Type=Wirewound
MH1 MH2 MH3 MH4: library part "Mounting Hole (non-standard) No Pad", "PCB Mounting Hole, No Pad", Manufacturer=Any, PartNumber=N/A, CompType="Mounting Hole", LatestRevisionDate=2017-01-25, MountType=N/A, PackageReference="Mounting Hole", Publisher="Texas Instruments", SymbolCreator=a0412235, SymbolVersion=2013-12-26
PS1: "AC DC 220V to 5V 5W 5Watt Isolated Switching Step-Down Power Supply Module Converter", Package="Package Analog Devices", Availability=Unavailable, MF=Hi-link, MP=HLK-5M05, Price=None, SnapEDA_Link=https://www.snapeda.com/parts/HLK-5M05/Hi-link/view-part/2758659/?ref=snap
Q1: "TRANS NPN 40V 0.2A SOT23", Current - Collector (Ic) (Max)=200mA, DC Current Gain (hFE) (Min) @ Ic, Vce="100 @ 10mA, 1V", Frequency - Transition=300MHz, Manufacturer="ON Semiconductor", Operating Temperature="-55°C ~ 150°C (TJ)", Package / Case="TO-236-3, SC-59, SOT-23-3", Power - Max=300mW, Supplier Device Package="SOT-23-3 (TO-236)", Supplier Part Number 1=MMBT3904LT3GOSCT-ND, Voltage - Collector Emitter Breakdown (Max)=40V, ComponentLink1Description=Datasheet, ComponentLink1URL=http://www.onsemi.com/pub/Collateral/MMBT3904LT1-D.PDF, ComponentLink2Description="DigiKey Link", ComponentLink2URL=http://digikey.com/product-detail/en/on-semiconductor/MMBT3904LT3G/MMBT3904LT3GOSCT-ND/1139814, LastUpdated="9/2/2020 1:30:08 AM", Lifecycle Status=Active, Minimum Order=1, Mounting Type="Surface Mount", Packaging=TapeAndReel, Part Number=MMBT3904LT3G, Part Status=Active, PartId=159, Price=0.02, Supplier 1=DigiKey, Transistor Type=NPN, Vce Saturation (Max) @ Ib, Ic="300mV @ 5mA, 50mA"
R1 R2 R3 R4 R5 R6 R7 R8 R9 R10 R11 R12 R13 R15 R19 R20: library part R0805, "Resistor SMD 0805"
R14 R16 R17: library part R0805
R18: "Varistors 180pF 560volts 10%", Built_By=EMA_Cory, Copyright="Copyright (C) 2018 Accelerated Designs. All rights reserved", Datasheet=https://www.bourns.com/docs/Product-Datasheets/MOV10D.pdf, Manufacturer_Part_Number=MOV-10D221K, RefDes=RefDes, SourceLibrary=Bourns_2020-06-26, Type=DEV, Vendor="Bourns Electronics"
SH-J1 SH-J2: library part "SNT-100-BK-G Jumper", "Shunt, 100mil, Gold plated, Black", Alternate Manufacturer=3M, Alternate PartNumber=969102-0000-DA, Manufacturer=Samtec, Supplier Part Number 1=SNT-100-BK-G-ND, ClassName=Shunt, ComponentLink1Description="Datasheet Link", ComponentLink1URL=http://www.samtec.com/ftppub/pdf/SNT.PDF, CompType=Shunt, Green_EU RoHS=Passed, Green_EU RoHS-2=Passed, Green_Lifecycle=Active, Green_REACh=Passed, LatestRevisionDate=2017-06-22, Manufacturer Part Number=SNT-100-BK-G, MountType=N/A, Note="J101: 1-2", PackageReference=Shunt, PartNumber=SNT-100-BK-G, Publisher="Texas Instruments", RoHS=Y, Supplier 1=Digi-Key
SW1 SW2: "SWITCH TACTILE SPST-NO 0.05A 12V", Case/Package=SMD/SMT, Color=Black, Contact Resistance=100mR, Current Rating=50mA, Max Operating Temperature=70°C, Max Voltage Rating (DC)=12V, Min Operating Temperature=-20°C, Operating Force=260gf, Package Quantity=1, Actuator Length=1mm, Actuator Material=Nylon, Contact Material=Silver, Contact Plating=Silver, Electrical Life=30000Cycles, Illumination Type=Non-Illuminated, Lead Free="Lead Free", Mechanical Life=30000Cycles, Mount="Surface Mount", Orientation="Right Angle", Packaging="Tape and Reel", Switch Function=Off-Mom, Switch Travel=0.25mm, Termination="Gull Wing", Throw Configuration=SPST, Voltage Rating (DC)=12V
U1: "WIFI MODULE 4MBITS SPI FLASH", Frequency="2.4GHz ~ 2.5GHz", Manufacturer="Espressif Systems", Operating Temperature="-40°C ~ 85°C", Package / Case="38-SMD Module", Part Number=ESP32-WROOM-32D, Power - Output=20.5dBm, Supplier Part Number 1=1904-1023-1-ND, Voltage - Supply="2.7V ~ 3.6V", Antenna Type="Integrated, Trace", ComponentLink1Description=Datasheet, ComponentLink1URL=https://www.espressif.com/sites/default/files/documentation/esp32-wroom-32d_esp32-wroom-32u_datasheet_en.pdf, ComponentLink2Description="DigiKey Link", ComponentLink2URL=http://digikey.com/product-detail/en/espressif-systems/ESP32-WROOM-32D/1904-1023-1-ND/9381732, Data Rate=150Mbps, LastUpdated="7/31/2020 3:42:37 PM", Lifecycle Status=Active, Memory Size="448kB ROM, 536kB SRAM", Minimum Order=1, Modulation="CCK, DSSS, OFDM", Mounting Type="Surface Mount", Packaging=TapeAndReel, Part Status=Active, Price=3.80, Protocol="802.11b/g/n, Bluetooth v4.2 + EDR, Class 1, 2 and 3", RF Family/Standard="Bluetooth, WiFi", Sensitivity=-98dBm, Serial Interfaces="GPIO, I²C, I²S, PWM, SDIO, SPI, UART", Series=ESP32, Supplier 1=DigiKey, Utilized IC / Part=ESP32-D0WD
U2: library part MAX3485ESA+, "1/1 Transceiver Half RS422, RS485 8-SOIC", Package="SOIC-8 Maxim", Availability=Unavailable, MF="Maxim Integrated", MP=MAX3485ESA+, Price=None, SnapEDA_Link=https://www.snapeda.com/parts/MAX3485ESA%2B/Maxim%20Integrated/view-part/225576/?ref=snap
U3 U4: "No Description Available", Number_devices_in_Package=1, Copyright="Copyright (C) 2016 Accelerated Designs. All rights reserved", Manufacturer_Part_Number=TC7SB3157CFU, RefDes=RefDes, Source_Package=TC7SB3157CFU, SourceLibrary=Toshiba_2019-02-27, Type=DEV, Vendor=Toshiba
U5: "Asymmetrical TVS Diode for Extended Common-Mode RS-485, 400 W, -55 to 125 degC, 3-Pin SOT23, RoHS, Tape and Reel", Clamping Voltage=26V/12V, Leakage Current=1uA/20uA, Leakage Current (Max)=0.02uA, Manufacturer=Semtech, Operating Temp Range=-55Cto125C, Operating Temperature Classification=Military, Operating Temperature Max Deg. C=125C, Operating Temperature Min Deg. C=-55C, Package / Case=SOT-23, Package Description="3-Pin Small Outline Transistor, Body 2.9 x 1.3 mm, Pitch 0.95 mm", Package Reference=SOT23-3, Peak Pulse Current=17A, Peak Pulse Power Dissipation=400W, Reverse Breakdown Voltage=13.3V, Reverse Stand-off Voltage=12V, Test Current (It)=1mA, Working Voltage=12V/7V, Configuration=Dual, Datasheet URL=https://datasheet.ciiva.com/18065/getdatasheetpartid-110620-18065348.pdf, Datasheet Version=Nov-04, Direction Type=Bi-Directional, Manufacturer URL=http://www.semtech.com/, Mounting=SurfaceMount, Mounting Style=SurfaceMount, Number of Elements=2, Packaging=TapeandReel, Pin Count=3, Polarity=Bi-Directional, Product Depth (mm)=1.3mm, Product Height (mm)=0.95mm, Product Length (mm)=2.9mm, Rad Hardened=No, Suppressor Type=TVS
U6: "No Description Available", Built_By=EMA_UL_Team, Copyright="Copyright (C) 2021 Accelerated Designs. All rights reserved", Manufacturer_Part_Number=MCP3204-BI/SL, RefDes=RefDes, SourceLibrary=Microchip_2011-05-13, Type=DEV, Vendor=Microchip
U7: "5V ±0.1% 100ppm/°C SOT-23(SOT-23-3) Voltage References RoHS", Package="SOT-23-3 Texas Instruments", Availability=Good, MF="Texas Instruments", MP=LM4040BIM3-2.5, Price=None, Purchase-URL=https://pricing.snapeda.com/search/part/LM4040BIM3-2.5/?ref=eda, SnapEDA_Link=https://www.snapeda.com/parts/LM4040BIM3-2.5/Texas%20Instruments/view-part/618751/?ref=snap
U8: "22V 2A SOIC-8_150mil DC-DC Converters RoHS", Built_By=EMA_UL_Team, Copyright="Copyright (C) 2018 Accelerated Designs. All rights reserved", Manufacturer_Part_Number=AP1509-33SG-13, RefDes=RefDes, SourceLibrary=DIODESINC_2_2015-08-18, Type=DEV, Vendor="Diodes Inc"
U9: "Ethernet Controllers Module 10/100 Base-T/TX PHY SPI 2.97V ~ 3.63V LQFP-48_7x7x05P Ethernet ICs RoHS"
U10: "Temp Monitoring System _Sensor_ External Sensor SPI Output 20-TQFN _5x5_", Package="QFN-20 Maxim", Availability=Unavailable, MF="Maxim Integrated", MP=MAX31865ATP+T, Price=None, SnapEDA_Link=https://www.snapeda.com/parts/MAX31865ATP%2BT/Maxim%20Integrated/view-part/47355/?ref=snap

## Via types
v1: diameter 0.6, hole 0.3, Top Layer to Bottom Layer, tented both sides, 169 vias

## Nets (pads, with @x,y where several pads share a name; then routed paths per layer and width w, separated by ;. In a path a pad name is that pad's centre, name@x,y a point inside that pad or via, vN(x,y) a via of type N, cw(c..) or ccw(c..) an arc to the next point about the centre after c; other vN are vias at no path point)
AC_1: F1.1 J7.4 | length 19.4
  Top Layer w1: J7.4@3.15,7.08 3.15,11.16 7.94,15.95 F1.1@16.465,15.95
AC_2: C12.1 J7.5 L2.1 R18.1 | length 45.5
  Top Layer w1: J7.5@6.96,7.08 10.83,3.21 R18.1@16.96,3.21 18.08,2.09 C12.1@21.24,2.09 21.936,2.786 23.166,2.786 24.24,3.86 24.24,19.89 L2.1@17.57,26.56
ADC_CS: U1.10 U6.8 | length 25.8
  Top Layer w0.35: U1.10@52.045,57.27 52.314,57.001 52.314,56.047 ; 52.315,56.046 52.315,55.255 49.565,52.505 45.598,52.505 44.72,51.627 44.72,47.62 45.33,47.01 52.93,47.01 53.48,47.56 53.48,48.918 U6.8@53.486,48.924
CT1: J3.13 R15.2 | length 49.9
  Top Layer w0.5: R15.2@46.115,35.355 46.315,35.155 46.496,35.155 47.77,33.881 47.77,30.814 56.544,22.04 72.66,22.04 73.33,21.37 73.33,15 75.29,13.04 J3.13@75.29,7.08
CT2: J3.5 R10.2 | length 36.8
  Top Layer w0.5: R10.2@48.325,35.345 48.475,35.345 48.87,34.95 48.87,30.916 56.896,22.89 73.93,22.89 75.29,21.53 J3.5@75.29,19.78
CT3: J3.15 R12.2 | length 52.9
  Top Layer w0.5: R12.2@50.426,35.377 50.276,35.377 49.79,34.891 49.79,31.198 57.198,23.79 75.25,23.79 77.14,21.9 77.14,15.75 82.91,9.98 J3.15@82.91,7.08
CT4: J3.7 R11.2 | length 41.6
  Top Layer w0.5: R11.2@52.516,35.428 52.366,35.428 52.166,35.227 52.166,35.078 50.93,33.841 50.93,31.26 57.54,24.65 78.04,24.65 J3.7@82.91,19.78
CT_1: D7.2 R15.1 U6.1 | length 7.9
  Top Layer w0.5: U6.1@45.866,44.2 45.866,42.688 46.105,42.449 D7.2@46.105,41.237 ; R15.1@46.115,37.455 45.965,37.455 45.09,38.33 45.09,40.325 46.045,41.28 D7.2@46.165,41.28
CT_2: D3.2 R10.1 U6.2 | length 8.2
  Top Layer w0.5: U6.2@47.136,44.2 47.166,44.171 47.166,43.216 48.335,42.047 D3.2@48.335,41.235 D3.2@48.357,41.257 ; R10.1@48.325,37.445 48.475,37.445 49.365,38.335 49.365,40.307 D3.2@48.395,41.277
CT_3: D5.2 R12.1 U6.3 | length 8.8
  Top Layer w0.5: U6.3@48.406,44.2 48.436,44.171 48.436,43.148 49.35,42.234 49.35,41.754 49.781,41.323 50.364,41.323 D5.2@50.426,41.26 50.564,41.197 51.468,40.294 51.468,38.379 50.766,37.678 R12.1@50.426,37.477
CT_4: D4.2 R11.1 U6.4 | length 9.4
  Top Layer w0.5: U6.4@49.676,44.2 49.706,44.171 49.706,43.174 50.708,42.172 51.544,42.172 52.341,41.375 52.444,41.375 D4.2@52.506,41.313 52.644,41.25 52.728,41.167 52.728,41.149 53.521,40.355 53.521,38.383 52.666,37.528 R11.1@52.516,37.528
DI_1: J2.1 U1.7 | length 56.2
  Top Layer w0.5: v1(45.88,61.01) 48.035,58.855 48.035,57.47 U1.7@48.235,57.27
  Bottom Layer w0.5: J2.1@27.53,19.78 28.41,20.66 28.41,21.46 34.24,27.29 34.24,53.86 41.39,61.01 v1(45.88,61.01)
DI_2: J2.2 U1.4 | length 48.7
  Top Layer w0.5: v1(44.005,59.334) 44.425,58.914 U1.4@44.425,57.27
  Bottom Layer w0.5: J2.2@31.34,19.78 31.437,19.877 31.437,21.487 35.35,25.4 35.35,53.6 41.084,59.334 v1(44.005,59.334)
DI_3: J2.3 U1.5 | length 47.6
  Top Layer w0.5: v1(44.875,60.11) 45.695,59.29 U1.5@45.695,57.27
  Bottom Layer w0.5: J2.3@35.15,19.78 35.306,19.936 35.306,21.487 36.36,22.541 36.36,50.415 44.905,58.961 44.905,59.706 44.894,59.718 44.894,60.091 v1(44.875,60.11)
DIO_1: J2.4 U1.11 | length 45.8
  Top Layer w0.5: J2.4@38.96,19.78 44,24.82 v1(44,29.05) ; v1(45.76,51.5) 49.79,51.5 53.315,55.025 U1.11@53.315,57.27
  Bottom Layer w0.5: v1(44,29.05) 44,49.74 45.741,51.481 v1@45.806,51.481
Earth: C11.1 C13.2 J7.6 MH1.1 MH2.1 MH3.1 MH4.1 | length 318.5
  Top Layer w1: J7.6@10.77,7.08 10.79,7.1 10.79,8.62 11.411,9.241 13.749,9.241 v1(13.84,9.15) v1(14.52,8.47) 14.887,8.103 v1(15.255,7.735) 15.99,7 v1(15.99,6.99) 16.8,6.18 v1(16.84,6.18) v1(18.12,6.18) v1(19.37,6.18) v1(20.6,6.18) v1(21.82,6.18)
  Bottom Layer w1: C11.1@2.51,23.9 0.69,22.08 0.69,17.66 1.78,16.57 12.81,16.57 13.81,15.57 ; C13.2@24.32,23.63 24.32,18.66 22.29,16.63 14.87,16.63 13.82,15.58 13.82,9.17 v1(13.84,9.15) v1(14.52,8.47) 14.887,8.103 v1(15.255,7.735) 15.99,7 v1(15.99,6.99) 16.8,6.18 v1(16.84,6.18) v1(18.12,6.18) v1(19.37,6.18) v1(20.6,6.18) v1(21.82,6.18) 22.49,6.18 26.76,1.91 87.28,1.91 89.16,3.79 89.16,22.56 86.49,25.23 MH4.1@86.12,25.23 ; C13.2@24.44,23.63 C13.2@24.44,24.42 ; C13.2@24.44,24.53 24.44,26.58 ; MH3.1@30.64,29 30.41,28.77 26.63,28.77 24.44,26.58 ; MH2.1@35.01,77.26 35.01,86.28 ; MH1.1@74.62,77.64 74.7,77.72 74.7,87.14 72.81,89.03 37.76,89.03 35.01,86.28 ; 24.44,26.58 21.59,29.43 21.59,35.83 25.06,39.3 25.06,63.82 15.74,73.14 15.74,86.77 17.98,89.01 32.28,89.01 35.01,86.28
EN: C3.2 R1.1 R2.2 U1.3 | length 7.2
  Top Layer w0.5: R1.1@39.28,54.11 C3.2@41.22,54.11 43.155,54.11 43.158,54.113 R2.2@43.16,54.11 43.31,54.26 43.31,57.115 U1.3@43.155,57.27
ESP32-BOOT/MODBUS_DE: SW1.1 U1.25 U2.3 | length 96.6
  Top Layer w0.5: U2.3@38.42,41.14 38.42,42.952 37.452,43.92 33.87,43.92 31.56,46.23 31.56,66.718 34.462,69.62 52.21,69.62 54.925,72.335 56.676,72.335 57.05,72.709 57.05,74.195 U1.25@57.125,74.27 57.145,74.29 57.145,75.537 v1(57.165,75.556) ; v1(70.56,82.55) 71.76,83.75 SW1.1@87.645,83.75
  Bottom Layer w0.5: v1(57.165,75.556) 57.226,75.618 57.226,77.886 60.93,81.59 69.6,81.59 v1(70.56,82.55)
ESP32-U2-CTS: J6.3 U1.31 | length 10.7
  Top Layer w0.5: J6.3@48.68,84.63 48.68,79.995 49.505,79.17 U1.31@49.505,74.27
ESP32-U2-DCD: J6.11 U1.29 U9.12 | length 93.1
  Top Layer w0.5: U1.29@52.045,74.27 52.045,77.088 53.226,78.269 55.067,78.269 v1(55.073,78.275) ; v1(58.91,80.87) 61.35,80.87 63.69,78.53 63.69,73.863 63.71,73.843 63.71,73.097 63.69,73.077 63.69,72.417 62.95,71.677 62.95,65.923 65.253,63.62 79.932,63.62 82.36,61.192 82.36,56.468 84.938,53.89 87.111,51.717 87.111,47.301 84.02,44.21 73.86,44.21 71.811,46.259 71.811,49.909 U9.12@71.07,50.65
  Bottom Layer w0.5: v1(55.073,78.275) 55.079,78.269 56.407,78.269 58.84,80.702 J6.11@58.84,84.63